# Altium PCB norbi_lm_#1.PcbDoc (part 2 of 5) (continued)
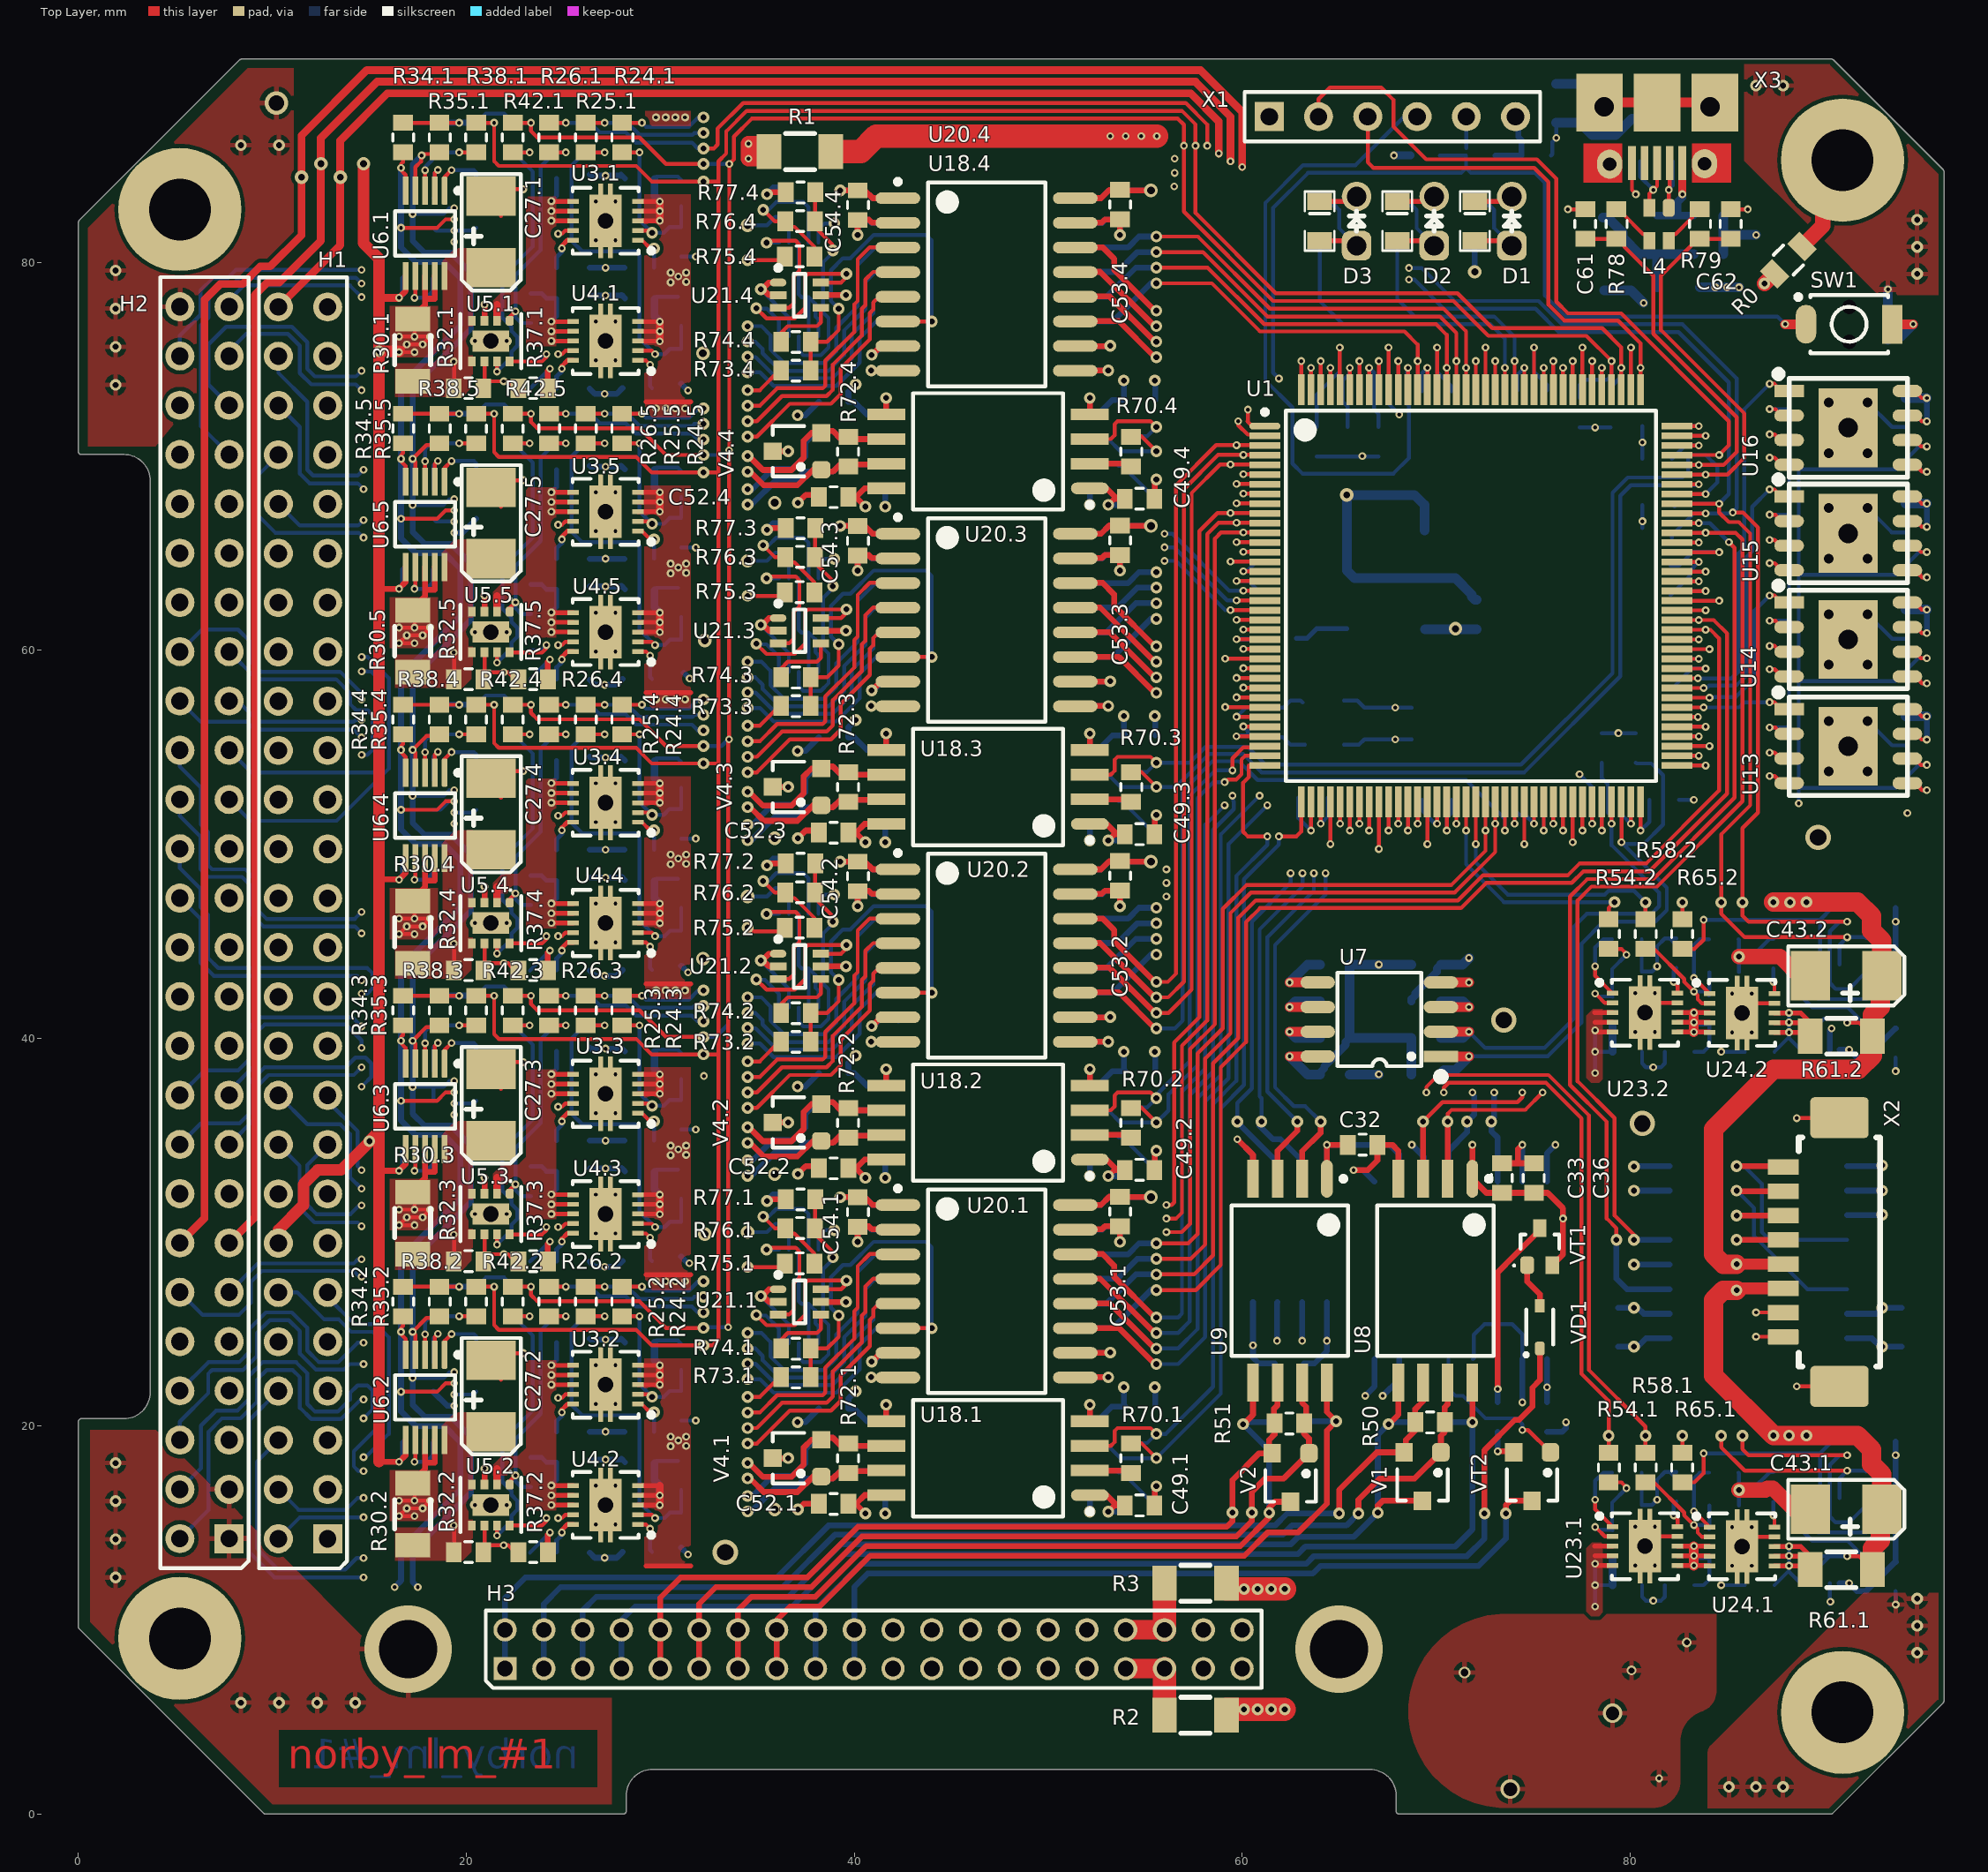
[diagram p0: Top Layer view]
## Nets (pads, with @x,y where several pads share a name; then routed paths per layer and width w, separated by ;. In a path a pad name is that pad's centre, name@x,y a point inside that pad or via, vN(x,y) a via of type N, cw(c..) or ccw(c..) an arc to the next point about the centre after c; other vN are vias at no path point) (continued)
  Bottom Layer w0.4: C30.2@64.026,38.13 64.026,38.232 64.232,38.438 64.232,38.542 65.344,39.654 65.344,39.81 R46.1@65.55,40.017
  Bottom Layer w0.5: v1(62.45,39.06) 63.38,38.13 C30.2@64.026,38.13 ; R43.2@68.726,38.13 R44.2@68.726,40.017 R46.1@65.55,40.017 R48.1@65.55,41.904 R49.1@65.55,43.791 v1(67.05,43.791) R45.2@68.726,43.791 ; GK1.1@69.4,66.18 69.4,67.485 68.885,68 v5(65.4,68) GK1.4@65.4,66.18 65.4,64.105 65.8,63.705 70.995,63.705 71.842,62.858 71.842,62.756 71.998,62.6 C4.2@72.1,62.6 ; C45.2@94.2,56.6 95.289,56.6 v1(95.304,56.585) ; C46.2@94.2,62.1 95.289,62.1 v1(95.304,62.085) ; C48.2@94.2,73 95.299,73 v1(95.304,72.995) ; C47.2@94.205,67.555 v1(95.304,67.555)
3V3A: C8.2 L1.2 U1.32 U1.33 | length 6.9
  Top Layer w0.2: v1(59.711,55.561) U1.33@61.186,55.561 ; v1(60.066,56.066) U1.32@61.191,56.066
  Bottom Layer w0.2: v1(59.711,55.561) 59.75,55.6 60.3,55.6 ; v1(60.066,56.066) 60.3,55.832 60.3,55.6 ; L1.2@63.245,55.12 62.5,55.12 62.102,55.518 C8.2@61.4,55.518 60.682,55.518 60.6,55.6 60.3,55.6
5V_MCU_PLDCR: C43.1.1 R61.1.1 U12.1.8 U12.1.9 X2.3 | length 30.3
  Top Layer w0.2: v1(91.2,13.3) 91.8,13.3 R61.1.1@92.5,12.6
  Top Layer w0.6: v2(85.5,27) 85.6,27.1 X2.3@87.9,27.1
  Top Layer w1: v2(85.5,27) 84.8,27 84.3,26.5 84.3,22.611 v2(87.4,19.511) v2(88.2,19.511) v2(89.1,19.511) 91.737,19.511 92.46,18.788 92.46,18.04 92.983,17.517 C43.1.1@92.983,15.712 92.9,15.629 92.9,14.1 92.5,13.7 R61.1.1@92.5,12.6
  Bottom Layer w0.2: U12.1.9@89.3,11.9 89.3,12.8 89.8,13.3 90.3,13.3 ; U12.1.8@89.8,11.9 89.8,12.8 90.3,13.3 ; v1(91.2,13.3) 90.3,13.3
5V_MEAS_PLDCR: C43.2.1 R61.2.1 U12.2.8 U12.2.9 X2.4 | length 39.4
  Top Layer w0.2: v1(91.2,40.8) 91.8,40.8 R61.2.1@92.5,40.1
  Top Layer w0.56: v2@85.48,28.33 v2(85.5,28.35) ; v2@85.52,28.35 X2.4@87.9,28.35
  Top Layer w1: v2(85.5,28.35) 84.805,28.35 84.3,28.855 84.3,35.3 87.4,38.4 91.8,38.4 92.5,39.1 R61.2.1@92.5,40.1 92.5,41.2 92.9,41.6 92.9,43.129 C43.2.1@92.983,43.212 92.983,45.017 92.46,45.54 92.46,46.288 91.737,47.011 v2(89.1,47.011) v2(87.4,47.011)
  Bottom Layer w0.2: U12.2.9@89.3,39.4 89.3,40.712 89.388,40.8 89.8,40.8 ; U12.2.8@89.8,39.4 89.8,40.8 ; v1(91.2,40.8) 91,41 90,41 89.8,40.8
  other v2: 88.25,47
5V_PL1.1B: C51.2.2 C52.2.2 C54.2.2 C55.2.2 C57.2.2 H2.5 H2.7 R30.3.1 U6.3.8 U6.3.9 U17.2.8 U18.2.8 U19.2.10 U19.2.16 U20.2.1 U20.2.7 U21.2.5 U22.2.2 | length 92.1
  Top Layer w0.2: v1(16.532,31.161) v1(17.332,31.161) ; v1(17.332,30.361) v1(16.532,30.361) v1(16.932,30.761) 17.732,30.761 v1(18.132,31.161) v1(17.332,31.161) ; R30.3.1@17.478,32.012 17.332,31.865 v1(17.332,31.161)
  Top Layer w0.3: R30.3.1@17.878,32.412 17.478,32.012 17.478,32.391 17.878,32.792 17.878,33.112 ; U6.3.8@17.878,34.282 17.878,33.112 ; U6.3.9@18.378,34.282 18.378,33.112 17.878,33.112 ; U21.2.5@38.678,43.7 v2(39.578,43.7) ; v2(39.278,49.1) 39.902,49.1 39.926,49.124 40.526,49.124 40.95,48.7 42.24,48.7 U20.2.1@42.35,48.59 ; C52.2.2@39.7,33.3 C52.2.2@40.078,33.3 ; v2(40.578,32.8) C52.2.2@40.078,33.3 ; v2@40.9,40.6 41.27,40.97 U20.2.7@42.35,40.97 ; U18.2.8@41.65,33.74 40.54,33.74 40.1,33.3 C52.2.2@40.078,33.3
  Power Layer w0.2: 37.9,47.3 38,47.4
  Power Layer w0.3: 38,32.8 v2(40.578,32.8) ; 38,39.1 v2(40.078,39.1) ; 38,40.62 v2(40.9,40.62) ; 38,43.7 v2(39.578,43.7) ; 38,49.1 v2(39.278,49.1)
  Power Layer w0.5: v1(17.332,30.361) 19.532,28.161 25.832,28.161 26.671,29 29.8,29 30.7,29.9 v3(32.3,29.9) 33.1,29.9 34.7,31.5 34.7,31.922 35.778,33 v3(35.9,33) 36.9,34 38,34 ; v3(34.5,47.3) 37.9,47.3 ; 38,32.8 38,34 ; 38,49.1 38,47.4 38,43.7 38,40.62 38,39.1 38,34
  Power Layer w1: 15.9,28.929 v1(17.332,30.361) ; 15.9,30.1 15.9,30.178 16.083,30.361 v1(16.532,30.361) ; v1(16.532,30.361) v1(16.532,31.161) v1(17.332,31.161) v1(18.132,31.161) v1(17.332,30.361) ; v1(16.532,30.361) v1(17.332,30.361)
  Bottom Layer w0.2: v3(34.5,47.3) 35.5,47.3 35.93,47.73 C57.2.2@36.61,47.73 ; U22.2.2@36.632,46.405 C57.2.2@36.632,47.708
  Bottom Layer w0.3: v2(39.278,49.1) 40.154,49.1 C55.2.2@40.178,49.124 40.503,49.124 40.932,48.695 U19.2.16@42.25,48.695 ; v2(40.078,39.1) 39.7,38.722 C51.2.2@39.7,38.2 40,38.2 40.65,37.55 U17.2.8@41.65,37.55 ; v2@40.878,40.51 v2@40.9,40.532 ; v2(40.9,40.62) v2@40.9,40.532 ; U19.2.10@42.35,40.99 42.28,40.92 42.18,41.02 41.388,41.02 v2@40.9,40.532
  other v1: 17.749,30.761
5V_PL1.1А: C51.1.2 C52.1.2 C54.1.2 C55.1.2 C57.1.2 H1.5 H1.7 R30.2.1 U6.2.8 U6.2.9 U17.1.8 U18.1.8 U19.1.10 U19.1.16 U20.1.1 U20.1.7 U21.1.5 U22.1.2 | length 92.9
  Top Layer w0.2: v1(16.532,16.161) v1(17.332,16.161) ; v1(17.332,15.361) v1(16.532,15.361) v1(16.932,15.761) 17.732,15.761 v1(18.132,16.161) v1(17.332,16.161) ; R30.2.1@17.478,17.012 17.332,16.865 v1(17.332,16.161)
  Top Layer w0.3: R30.2.1@17.878,17.412 17.478,17.012 17.478,17.391 17.878,17.792 17.878,18.112 ; U6.2.8@17.878,19.282 17.878,18.112 ; U6.2.9@18.378,19.282 18.378,18.112 17.878,18.112 ; U21.1.5@38.678,26.4 v2(39.578,26.4) ; v2(39.278,31.8) 39.902,31.8 39.926,31.824 40.526,31.824 40.95,31.4 42.24,31.4 U20.1.1@42.35,31.29 ; C52.1.2@39.7,16 C52.1.2@40.078,16 ; v2(40.578,15.5) C52.1.2@40.078,16 ; v2@40.9,23.3 41.27,23.67 U20.1.7@42.35,23.67 ; U18.1.8@41.65,16.44 40.54,16.44 40.1,16 C52.1.2@40.078,16
  Power Layer w0.2: 37.9,30 38,30.1
  Power Layer w0.3: 38,15.5 v2(40.578,15.5) ; 38,21.8 v2(40.078,21.8) ; 38,23.32 v2(40.9,23.32) ; 38,26.4 v2(39.578,26.4) ; 38,31.8 v2(39.278,31.8)
  Power Layer w0.5: 15.9,15.361 v1(16.532,15.361) v1(17.332,15.361) ; v1@17.732,15.761 v1@17.74,15.769 ; v1(18.132,16.161) 18.132,17.771 26.797,26.436 27.351,26.436 29.166,28.251 30.151,28.251 31,29.1 33.6,29.1 v3(34.5,30) 37.9,30 ; v3(35.9,15.7) 36.9,16.7 38,16.7 ; 38,15.5 38,16.7 ; 38,31.8 38,30.1 38,26.4 38,23.32 38,21.8 38,16.7
  Power Layer w0.6: 15.9,15.7 15.961,15.761 v1(16.932,15.761) v1@17.732,15.761 ; 15.9,16.161 v1(16.532,16.161) v1(17.332,16.161) v1(18.132,16.161) v1@17.74,15.769 ; v1(17.332,15.361) v1@17.732,15.761 ; v1(17.749,15.761) v1@17.732,15.761
  Bottom Layer w0.2: v3(34.5,30) 35.5,30 35.93,30.43 C57.1.2@36.61,30.43 ; U22.1.2@36.632,29.105 C57.1.2@36.632,30.408
  Bottom Layer w0.3: v2(39.278,31.8) 40.154,31.8 C55.1.2@40.178,31.824 40.503,31.824 40.932,31.395 U19.1.16@42.25,31.395 ; v2(40.078,21.8) 39.7,21.422 C51.1.2@39.7,20.9 40,20.9 40.65,20.25 U17.1.8@41.65,20.25 ; v2@40.878,23.21 v2@40.9,23.232 ; v2(40.9,23.32) v2@40.9,23.232 ; U19.1.10@42.35,23.69 42.28,23.62 42.18,23.72 41.388,23.72 v2@40.9,23.232
5V_PL1.2: C51.3.2 C52.3.2 C54.3.2 C55.3.2 C57.3.2 H2.27 H2.29 R30.4.1 U6.4.8 U6.4.9 U17.3.8 U18.3.8 U19.3.10 U19.3.16 U20.3.1 U20.3.7 U21.3.5 U22.3.2 | length 92.5
  Top Layer w0.2: v1(16.532,46.161) v1(17.332,46.161) ; v1(17.332,45.361) v1(16.532,45.361) v1(16.932,45.761) 17.732,45.761 v1(18.132,46.161) v1(17.332,46.161) ; R30.4.1@17.478,47.012 17.332,46.865 v1(17.332,46.161)
  Top Layer w0.3: R30.4.1@17.878,47.412 17.478,47.012 17.478,47.391 17.878,47.792 17.878,48.112 ; U6.4.8@17.878,49.282 17.878,48.112 ; U6.4.9@18.378,49.282 18.378,48.112 17.878,48.112 ; U21.3.5@38.678,61 v2(39.578,61) ; v2(39.278,66.4) 39.902,66.4 39.926,66.424 40.526,66.424 40.95,66 42.24,66 U20.3.1@42.35,65.89 ; C52.3.2@39.7,50.6 C52.3.2@40.078,50.6 ; v2(40.578,50.1) C52.3.2@40.078,50.6 ; v2@40.9,57.9 41.27,58.27 U20.3.7@42.35,58.27 ; U18.3.8@41.65,51.04 40.54,51.04 40.1,50.6 C52.3.2@40.078,50.6
  Power Layer w0.2: 37.9,64.6 38,64.7
  Power Layer w0.3: 38,50.1 v2(40.578,50.1) ; 38,56.4 v2(40.078,56.4) ; 38,57.92 v2(40.9,57.92) ; 38,61 v2(39.578,61) ; 38,66.4 v2(39.278,66.4)
  Power Layer w0.5: v1(17.332,45.361) 19.532,43.161 25.832,43.161 26.695,44.024 32.024,44.024 32.1,44.1 v3(32.2,44.1) 33.468,45.368 33.468,47.968 35.3,49.8 35.4,49.8 v3(35.9,50.3) 36.9,51.3 38,51.3 ; v3(34.5,64.6) 37.9,64.6 ; 38,50.1 38,51.3 ; 38,66.4 38,64.7 38,61 38,57.92 38,56.4 38,51.3
  Power Layer w1: 15.6,45.361 v1(16.532,45.361) v1(17.332,45.361) v1(18.132,46.161) v1(17.332,46.161) v1(16.532,46.161) 15.7,46.161
  Bottom Layer w0.2: v3(34.5,64.6) 35.5,64.6 35.93,65.03 C57.3.2@36.61,65.03 ; U22.3.2@36.632,63.705 C57.3.2@36.632,65.008
  Bottom Layer w0.3: v2(39.278,66.4) 40.154,66.4 C55.3.2@40.178,66.424 40.503,66.424 40.932,65.995 U19.3.16@42.25,65.995 ; v2(40.078,56.4) 39.7,56.022 C51.3.2@39.7,55.5 40,55.5 40.65,54.85 U17.3.8@41.65,54.85 ; v2@40.878,57.81 v2@40.9,57.832 ; v2(40.9,57.92) v2@40.9,57.832 ; U19.3.10@42.35,58.29 42.28,58.22 42.18,58.32 41.388,58.32 v2@40.9,57.832
  other v1: 17.749,45.761
5V_PL2: C51.4.2 C52.4.2 C54.4.2 C55.4.2 C57.4.2 H1.41 H1.42 H1.43 H2.41 H2.42 H2.44 R30.5.1 U6.5.8 U6.5.9 U17.4.8 U18.4.8 U19.4.10 U19.4.16 U20.4.1 U20.4.7 U21.4.5 U22.4.2 | length 94.6
  Top Layer w0.2: v1(16.532,61.161) v1(17.332,61.161) ; v1(17.332,60.361) v1(16.532,60.361) v1(16.932,60.761) 17.732,60.761 v1(18.132,61.161) v1(17.332,61.161) ; R30.5.1@17.478,62.012 17.332,61.865 v1(17.332,61.161)
  Top Layer w0.3: R30.5.1@17.878,62.412 17.478,62.012 17.478,62.391 17.878,62.792 17.878,63.112 ; U6.5.8@17.878,64.282 17.878,63.112 ; U6.5.9@18.378,64.282 18.378,63.112 17.878,63.112 ; U21.4.5@38.678,78.3 v2(39.578,78.3) ; v2(39.278,83.7) 39.902,83.7 39.926,83.724 40.526,83.724 40.95,83.3 42.24,83.3 U20.4.1@42.35,83.19 ; C52.4.2@39.7,67.9 C52.4.2@40.078,67.9 ; v2(40.578,67.4) C52.4.2@40.078,67.9 ; v2@40.9,75.2 41.27,75.57 U20.4.7@42.35,75.57 ; U18.4.8@41.65,68.34 40.54,68.34 40.1,67.9 C52.4.2@40.078,67.9
  Power Layer w0.2: 37.9,81.9 38,82
  Power Layer w0.3: 38,67.4 v2(40.578,67.4) ; 38,73.7 v2(40.078,73.7) ; 38,75.22 v2(40.9,75.22) ; 38,78.3 v2(39.578,78.3) ; 38,83.7 v2(39.278,83.7)
  Power Layer w0.5: v1(17.332,60.361) 19.532,58.161 25.832,58.161 26.756,59.085 30.885,59.085 v3(32.3,60.5) 32.3,64.2 35.067,66.967 35.267,66.967 v3(35.9,67.6) 36.9,68.6 38,68.6 ; v3(34.5,81.9) 37.9,81.9 ; 38,67.4 38,68.6 ; 38,83.7 38,82 38,78.3 38,75.22 38,73.7 38,68.6
  Power Layer w1: 15,61.1 15.061,61.161 v1(16.532,61.161) v1(17.332,61.161) v1(18.132,61.161) v1(17.332,60.361) v1(16.532,60.361) 15.82,60.361 15.8,60.38
  Bottom Layer w0.2: v3(34.5,81.9) 35.5,81.9 35.93,82.33 C57.4.2@36.61,82.33 ; U22.4.2@36.632,81.005 C57.4.2@36.632,82.308
  Bottom Layer w0.3: v2(39.278,83.7) 40.154,83.7 C55.4.2@40.178,83.724 40.503,83.724 40.932,83.295 U19.4.16@42.25,83.295 ; v2(40.078,73.7) 39.7,73.322 C51.4.2@39.7,72.8 40,72.8 40.65,72.15 U17.4.8@41.65,72.15 ; v2@40.878,75.11 v2@40.9,75.132 ; v2(40.9,75.22) v2@40.9,75.132 ; U19.4.10@42.35,75.59 42.28,75.52 42.18,75.62 41.388,75.62 v2@40.9,75.132
  other v1: 17.749,60.761
10MHz: GK1.3 R4.2 | length 2.8
  Bottom Layer w0.25: R4.2@62.8,60.6 63.339,60.6 63.839,61.1 GK1.3@65.4,61.1
A_CPU_ERROR: U1.2 U20.1.11 | length 61.5
  Top Layer w0.2: v1(59.8,71.8) 59.8,71.6 60.295,71.105 61.152,71.105 U1.2@61.191,71.066
  Top Layer w0.3: U20.1.11@51.5,24.94 51.62,25.06 53.64,25.06 v2@55.5,23.2
  Signal Layer 1 w0.2: v1(59.8,71.8) 59.7,71.9 59.7,72.6 60,72.9 60.5,72.9 61.4,72 v1@61.4,52.054 ; v1(61.3,52) v1@61.3,52.054
  Bottom Layer w0.2: v2(55.578,23.2) 56.7,23.2 58.1,24.6 58.1,36.733 59.3,37.933 59.3,50 v1(61.3,52)
A_CPU_ERROR_PL: H1.20 R73.1.1 | length 40.3
  Top Layer w0.2: v2@34.778,21.5 35.131,21.5 R73.1.1@36.19,22.56
  Signal Layer 1 w0.2: v1@14.75,32.25 15.35,32.25 16.025,31.575 16.025,30.075 18,28.1 20,28.1 20.7,27.4 20.7,27.037 21.5,26.237 21.5,23.371 25.271,19.6 26.4,19.6 27,20.2 27.4,20.2 28,19.6 29.1,19.6 30.528,18.172 31.602,18.172 32.1,18.67 32.1,19.8 33.8,21.5 v2(34.5,21.5)
  Bottom Layer w0.2: H1.20@10.31,37.05 11.799,35.561 13.5,35.561 14,35.061 14,32.837 v1(14.6,32.237)
A_INT: U1.141 U20.1.14 | length 63
  Top Layer w0.2: U1.141@64.55,73.425 v1(64.55,74.55)
  Top Layer w0.3: U20.1.14@51.5,28.75 51.62,28.87 52.806,28.87 53.4,28.276 53.4,27.7 v2@55.5,25.6
  Signal Layer 1 w0.2: v1(59.1,52) 60,51.1 61.7,51.1 62.2,51.6 62.2,70.261 64.55,72.611 v1(64.55,74.55)
  Signal Layer 2 w0.2: v1(59.1,52) v1@59.13,52.03
  Bottom Layer w0.2: v2(55.578,25.6) 56.7,25.6 56.9,25.8 56.9,37.23 58.1,38.43 58.1,51 v1(59.1,52)
A_INT_PL: H1.17 U20.1.3 | length 50.3
  Top Layer w0.2: v2@34.778,20.7 35.131,20.7 36.031,21.6 38.379,21.6 38.512,21.733 38.512,23.012 40,24.5 40,25.922 40.178,26.1 40.178,28.248 40.8,28.87 42.23,28.87 U20.1.3@42.35,28.75
  Signal Layer 1 w0.2: v1@14.775,31.375 15.425,31.375 15.65,31.15 15.65,29.85 17.8,27.7 19.834,27.7 20.3,27.234 20.3,26.871 21.1,26.071 21.1,23.205 25.105,19.2 28.9,19.2 30.3,17.8 31.8,17.8 32.5,18.5 32.5,19.4 33.8,20.7 v2(34.5,20.7)
  Bottom Layer w0.2: H1.17@12.85,34.51 11.8,33.46 11.8,31.4 12.27,30.93 14.03,30.93 14.475,31.375 v1(14.6,31.375)
A_PWR_ERROR: U1.142 U20.1.13 | length 63.6
  Top Layer w0.2: U1.142@64.05,73.425 v1(64.05,74.9)
  Top Layer w0.3: U20.1.13@51.5,27.48 51.62,27.6 52.681,27.6 v2@55.481,24.8
  Signal Layer 1 w0.2: v1(59.5,52.5) 60.5,51.5 61.534,51.5 61.8,51.766 61.8,70.416 64.08,72.696 v1@64.08,74.87
  Signal Layer 2 w0.2: v1(64.05,74.9) v1@64.08,74.87
  Bottom Layer w0.2: v2(55.578,24.8) 56.7,24.8 57.3,25.4 57.3,37.064 58.5,38.264 58.5,50.735 59.57,51.805 59.57,52.195 59.538,52.226 59.538,52.462 v1(59.5,52.5)
A_PWR_ERROR_PL: H1.19 U20.1.4 | length 50.1
  Top Layer w0.2: v2(34.5,19.9) 34.978,19.9 36.278,21.2 38.578,21.2 38.9,21.522 38.9,22.822 40.4,24.322 40.4,25.7 40.578,25.878 40.578,27.2 40.978,27.6 42.23,27.6 U20.1.4@42.35,27.48
  Signal Layer 1 w0.2: v1@14.7,33.2 v1(14.6,33.2) 14.4,33.2 14.1,32.9 14.1,31.2 14.475,30.825 15,30.825 15.25,30.575 15.25,29.65 18.239,26.661 19.939,26.661 20.7,25.9 20.7,23.039 24.939,18.8 28.732,18.8 30.132,17.4 31.963,17.4 32.9,18.337 32.9,19 33.8,19.9 v2(34.5,19.9)
  Bottom Layer w0.2: H1.19@12.85,37.05 12.85,36.75 14.4,35.2 14.4,33.4 v1@14.525,33.275
A_RSTFPGA: U1.56 U19.1.3 | length 41.3
  Top Layer w0.2: v2(55.578,29.42) 57.22,29.42 57.7,29.9 57.7,39.2 59,40.5 59,46.661 60.239,47.9 70.794,47.9 72.55,49.656 v1(72.55,50.7) U1.56@72.55,52.175
  Bottom Layer w0.3: U19.1.3@51.5,28.77 51.585,28.855 54.117,28.855 54.682,29.42 v2(55.578,29.42)
A_RSTFPGA_PL: H1.11 U19.1.14 | length 47.6
  Signal Layer 2 w0.2: v1(14.7,18.4) 15.9,17.2 18.5,17.2 20.5,19.2 29,19.2 32.7,22.9 32.7,23.1 34.4,24.8 v2(34.5,24.8)
  Bottom Layer w0.2: H1.11@12.85,26.89 12.85,26.65 14.251,25.249 15.335,25.249 16,24.585 16,19.6 v1@14.8,18.4 ; v2@34.778,24.8 35.218,24.8 35.678,24.34 35.678,23.6 36.378,22.9 38.478,22.9 39.078,23.5 39.078,24.724 40.178,25.824 40.178,27.946 41.087,28.855 U19.1.14@42.25,28.855
A_RSTLEON: U1.57 U19.1.4 | length 42.5
  Top Layer w0.2: v2(55.578,28.62) 57.354,28.62 58.1,29.366 58.1,38.952 59.4,40.252 59.4,46.445 60.455,47.5 70.96,47.5 73.05,49.59 v1(73.05,51.05) U1.57@73.05,52.175
  Bottom Layer w0.3: U19.1.4@51.5,27.5 51.6,27.6 53.578,27.6 54.598,28.62 v2(55.578,28.62)
A_RSTLEON_PL: H1.12 U19.1.13 | length 49.3
  Signal Layer 2 w0.2: v1(14.7,17.685) 15.585,16.8 18.694,16.8 20.694,18.8 29.18,18.8 33.1,22.72 33.1,22.94 34.16,24 v2(34.5,24)
  Bottom Layer w0.2: H1.12@10.31,26.89 11.284,26.89 12.674,25.5 13.426,25.5 14.066,24.861 15.175,24.861 15.6,24.435 15.6,20.1 14.2,18.7 14.2,17.926 14.441,17.685 v1(14.7,17.685) v1@14.8,17.685 ; v2@34.778,24 34.9,24 35.278,23.622 35.278,23.4 36.178,22.5 38.678,22.5 39.478,23.3 39.478,24.575 40.578,25.675 40.578,27.078 41.085,27.585 U19.1.13@42.25,27.585
A_TM4_reserve: H1.21
A_TM5_reserve: H1.22
A_TM6_reserve: H1.23
A_TM7_reserve: H1.24
A_WATCHDOG: U1.1 U20.1.12 | length 58.3
  Top Layer w0.2: v1(60.3,72.4) 60.3,71.825 60.27,71.795 60.515,71.55 U1.1@61.175,71.55
  Top Layer w0.3: U20.1.12@51.5,26.21 51.62,26.33 53.17,26.33 v2@55.5,24
  Signal Layer 1 w0.2: v1@60.25,72.45 61,71.7 v1@61,52.547 ; v1(60.9,52.5) v1@60.9,52.547
  Bottom Layer w0.2: v2(55.578,24) 56.7,24 57.7,25 57.7,36.899 58.9,38.099 58.9,50.5 v1(60.9,52.5)
A_WATCHDOG_PL: H1.18 U20.1.5 | length 49
  Top Layer w0.2: v2(34.5,19.1) 34.978,19.1 36.678,20.8 38.8,20.8 39.3,21.3 39.3,22.622 40.8,24.122 40.8,25.472 40.978,25.65 40.978,26.018 41.29,26.33 42.23,26.33 U20.1.5@42.35,26.21
  Signal Layer 1 w0.2: v1(14.6,30.3) 14.6,29.7 18.039,26.261 19.774,26.261 20.3,25.734 20.3,22.874 24.774,18.4 26.282,18.4 26.87,17.812 27.412,17.812 28,18.4 28.561,18.4 29.961,17 32.128,17 33.3,18.172 33.3,18.6 33.8,19.1 v2(34.5,19.1)
  Bottom Layer w0.2: H1.18@10.31,34.51 11.4,33.42 11.4,31.261 12.161,30.5 14.4,30.5 v1(14.6,30.3)
ATMI_PL_0_PL1.1A: R75.1.2 | length 1.7
  Top Layer w0.2: v2@34.778,28.2 36.078,28.2 R75.1.2@36.258,28.38
  Top Layer w0.3: R75.1.2@36.258,28.38 R75.1.2@36.422,28.38
  other v2: 34.5,28.2
ATMI_PL_0_PL1.1B: R75.2.2 | length 2.1
  Top Layer w0.2: v2(34.5,45.7) 34.6,45.7 34.8,45.5 36.078,45.5 R75.2.2@36.258,45.68
  Top Layer w0.3: R75.2.2@36.258,45.68 R75.2.2@36.422,45.68
ATMI_PL_0_PL1.2: R75.3.2 | length 1.7
  Top Layer w0.2: v2@34.778,62.8 36.078,62.8 R75.3.2@36.258,62.98
  Top Layer w0.3: R75.3.2@36.258,62.98 R75.3.2@36.422,62.98
  other v2: 34.5,62.8
B_CPU_ERROR: U1.58 U20.2.11 | length 38.7
  Top Layer w0.2: v1(73.55,50.7) U1.58@73.55,52.175
  Top Layer w0.3: U20.2.11@51.5,42.24 51.62,42.36 53.64,42.36 v2@55.5,40.5
  Bottom Layer w0.2: v2(55.578,40.5) 56.53,40.5 56.93,40.9 56.93,52.73 58.47,54.27 59.83,54.27 60.8,53.3 71.549,53.3 73.55,51.299 v1(73.55,50.7)
B_CPU_ERROR_PL: H2.20 R73.2.1 | length 41.6
  Top Layer w0.2: v2@34.778,38.8 35.131,38.8 R73.2.1@36.19,39.86
  Signal Layer 1 w0.2: v1@14.7,40.6 14.7,40.5 15.2,40 15.2,38.9 16,38.1 16,36.733 16.433,36.3 17,36.3 19.946,33.354 22.446,33.354 23.339,32.461 27.273,32.461 30.6,35.787 30.6,36.099 31.801,37.3 32.2,37.3 33.7,38.8 v2(34.5,38.8)
  Bottom Layer w0.2: H2.20@5.23,37.06 6.508,38.338 8.238,38.338 8.8,38.9 8.8,40.521 9.354,41.075 14.125,41.075 v1(14.6,40.6) v1@14.7,40.6
B_INT: U1.3 U20.2.14 | length 37.6
  Top Layer w0.2: v2(55.578,42.9) 56.172,42.9 56.6,43.328 56.6,68.5 58.666,70.566 v1(59.716,70.566) U1.3@61.191,70.566
  Top Layer w0.3: U20.2.14@51.5,46.05 51.62,46.17 52.806,46.17 53.4,45.576 53.4,45 v2@55.5,42.9
B_INT_PL: H2.17 U20.2.3 | length 55.4
  Top Layer w0.2: v2@34.778,38 35.131,38 36.031,38.9 38.379,38.9 38.512,39.033 38.512,40.312 40,41.8 40,43.222 40.178,43.4 40.178,45.548 40.8,46.17 42.23,46.17 U20.2.3@42.35,46.05
  Signal Layer 1 w0.2: v1@14.7,38.5 15,38.5 15.6,37.9 15.6,36.53 16.23,35.9 16.8,35.9 19.632,33.068 19.632,32.1 19.932,31.8 22.1,31.8 22.8,31.1 22.8,29.8 23.9,28.7 26.22,28.7 26.62,29.1 28,29.1 28.732,29.832 28.732,33.354 31,35.622 31,35.933 31.967,36.9 32.44,36.9 33.54,38 v2(34.5,38)
  Bottom Layer w0.2: H2.17@7.77,34.52 9.2,35.95 9.2,37.5 9.8,38.1 14.2,38.1 v1(14.6,38.5) v1@14.7,38.5
B_PWR_ERROR: U1.4 U20.2.13 | length 37.3
  Top Layer w0.2: v2(55.578,42.1) 56.19,42.1 57,42.91 57,68.3 58.766,70.066 v1(60.066,70.066) 61.229,70.066 U1.4@61.241,70.077
  Top Layer w0.3: U20.2.13@51.5,44.78 51.62,44.9 52.681,44.9 v2@55.481,42.1
B_PWR_ERROR_PL: H2.19 U20.2.4 | length 58.3
  Top Layer w0.2: v2(34.5,37.2) 34.978,37.2 36.278,38.5 38.578,38.5 38.9,38.822 38.9,40.122 40.4,41.622 40.4,43 40.578,43.178 40.578,44.5 40.978,44.9 42.23,44.9 U20.2.4@42.35,44.78
  Signal Layer 1 w0.2: v1@14.7,39.5 14.1,38.9 14.1,38.3 14.4,38 14.9,38 15.2,37.7 15.2,36.3 16,35.5 16.649,35.5 19.24,32.909 19.24,31.295 20.3,30.234 20.3,28.997 20.997,28.3 26.4,28.3 26.8,28.7 29.186,28.7 32.476,31.99 32.476,36.276 33.4,37.2 v2(34.5,37.2)
  Bottom Layer w0.2: H2.19@7.77,37.06 7.77,37.27 9.2,38.7 9.2,40.3 9.6,40.7 13.786,40.7 14.6,39.886 14.6,39.6 v1@14.7,39.5
  other v1: 14.6,39.5
B_RSTFPGA: U1.89 U19.2.3 | length 49.3
  Top Layer w0.2: U1.89@82.425,62.05 v1(83.9,62.05)
  Signal Layer 1 w0.2: v2(55.578,46.72) 59.902,46.72 61.122,45.5 69.1,45.5 70.1,46.5 76.1,46.5 78.6,49 81.4,49 85.4,53 85.4,61.2 84.55,62.05 v1(83.9,62.05)
  Bottom Layer w0.3: U19.2.3@51.5,46.07 51.585,46.155 54.117,46.155 54.682,46.72 v2(55.578,46.72)
B_RSTFPGA_PL: H2.11 U19.2.14 | length 50.3
  Signal Layer 1 w0.2: v1(32.25,38.05) 32.9,38.7 32.9,41.5 33.5,42.1 v2(34.5,42.1)
  Signal Layer 2 w0.2: v1(14.6,28.6) 14.9,28.3 22.2,28.3 23,29.1 23,31.9 23.99,32.89 24.9,32.89 25.81,33.8 29.032,33.8 30.4,35.168 30.4,36.2 v1(32.25,38.05)
  Bottom Layer w0.2: H2.11@7.77,26.9 9.255,28.385 14.197,28.385 14.412,28.6 v1(14.6,28.6) ; v2@34.778,42.1 35.218,42.1 35.678,41.64 35.678,40.9 36.378,40.2 38.478,40.2 39.078,40.8 39.078,42.024 40.178,43.124 40.178,45.246 41.087,46.155 U19.2.14@42.25,46.155
B_RSTLEON: U1.90 U19.2.4 | length 50.7
  Top Layer w0.2: U1.90@82.425,62.55 v1(84.6,62.55)
  Signal Layer 1 w0.2: v2(55.578,45.92) 60.14,45.92 60.94,45.12 69.32,45.12 70.3,46.1 76.3,46.1 78.8,48.6 81.6,48.6 85.8,52.8 85.8,61.4 84.65,62.55 v1(84.6,62.55)
  Bottom Layer w0.3: U19.2.4@51.5,44.8 51.6,44.9 53.578,44.9 54.598,45.92 v2(55.578,45.92)
B_RSTLEON_PL: H2.12 U19.2.13 | length 54.1
  Signal Layer 2 w0.2: v1(14.6,27.7) 14.81,27.91 22.362,27.91 23.39,28.938 23.39,31.738 24.152,32.5 25.039,32.5 25.239,32.7 31.6,32.7 32.1,33.2 32.1,34.468 33.3,35.668 33.3,37.033 33.9,37.633 33.9,40.9 34.3,41.3 v2(34.5,41.3)
  Bottom Layer w0.2: H2.12@5.23,26.9 6.404,25.726 8.266,25.726 8.9,26.361 8.9,27.438 9.462,28 14.185,28 14.485,27.7 v1(14.6,27.7) ; v2@34.778,41.3 34.9,41.3 35.278,40.922 35.278,40.7 36.178,39.8 38.678,39.8 39.478,40.6 39.478,41.875 40.578,42.975 40.578,44.378 41.085,44.885 U19.2.13@42.25,44.885
B_TM4_reserve: H2.21
B_TM5_reserve: H2.22
B_TM6_reserve: H2.23
B_TM7_reserve: H2.24
B_WATCHDOG: U1.5 U20.2.12 | length 37.4
  Top Layer w0.2: v2(55.578,41.3) 56.2,41.3 57.4,42.5 57.4,68.1 58.866,69.566 59.116,69.566 61.229,69.566 U1.5@61.241,69.577
  Top Layer w0.3: U20.2.12@51.5,43.51 51.62,43.63 53.17,43.63 v2@55.5,41.3
  other v1: 59.4,69.566
B_WATCHDOG_PL: H2.18 U20.2.5 | length 59.2
  Top Layer w0.2: v2(34.5,36.4) 34.978,36.4 36.678,38.1 38.8,38.1 39.3,38.6 39.3,39.922 40.8,41.422 40.8,42.772 40.978,42.95 40.978,43.318 41.29,43.63 42.23,43.63 U20.2.5@42.35,43.51
  Signal Layer 1 w0.2: v1@14.7,37.5 14.8,37.4 14.8,36.05 15.75,35.1 16.449,35.1 18.815,32.733 18.815,31.119 19.876,30.059 19.876,28.821 20.821,27.876 26.4,27.876 26.576,27.7 28.732,27.7 32.9,31.868 32.9,36.1 33.2,36.4 v2(34.5,36.4)
  Bottom Layer w0.2: H2.18@5.23,34.52 6.322,35.612 8.31,35.612 8.8,36.101 8.8,37.7 9.6,38.5 13.785,38.5 14.285,39 14.8,39 15.1,38.7 15.1,38 14.7,37.6 v1@14.7,37.5
  other v1: 14.6,37.5
BAT_LOW: H3.17 H3.18 VD1.1 | length 50.2
  Top Layer w0.3: v2(72.5,15.5) 72.5,18.755 74.065,20.32 74.281,20.32 74.97,21.009 74.97,21.985 75.35,22.365 VD1.1@75.35,24
  Bottom Layer w0.3: H3.17@38,7.5 H3.18@38,9.5 38,10.522 40.378,12.9 63.3,12.9 63.7,13.3 71.595,13.3 72.5,14.205 v2(72.5,15.5)
BAT_LOW_MC: U1.27 U11.14 | length 53
  Top Layer w0.2: v1(59.716,58.566) U1.27@61.191,58.566
  Top Layer w0.3: v2(72.85,35.7) v2@72.85,35.781
  Signal Layer 2 w0.2: v1(59.716,58.566) 59.746,58.536 60.261,58.536 60.536,58.261 60.536,58.164 65.57,53.13 77.595,53.13 77.598,53.133 81.167,53.133 82.3,52 82.3,49.3 81.4,48.4 77.4,48.4 76.7,47.7 76.7,40 75.95,39.25 74.4,37.7 74.2,37.7 73.7,37.2 v1(73,37.2)
  Bottom Layer w0.3: 73,37 73,35.931 72.85,35.781 v2(72.85,35.7) 72.85,35.2 73.18,34.87 U11.14@73.18,32.6
C_TK_nRESET: U1.93 U19.3.3 | length 56.7
  Top Layer w0.2: U1.93@82.425,64.05 v1(83.9,64.05)
  Signal Layer 2 w0.2: v2@55.578,64.01 56.2,64.01 56.6,64.41 56.6,71.831 62.369,77.6 72.35,77.6 73.75,76.2 80.375,76.2 81.457,75.118 85.8,70.775 85.8,65.35 84.5,64.05 v1(83.9,64.05)
  Bottom Layer w0.3: U19.3.3@51.5,63.37 51.585,63.455 54.117,63.455 54.682,64.02 v2(55.578,64.02)
C_TK_nRESET_PL: H2.31 U19.3.14 | length 50.6
  Signal Layer 1 w0.2: v1(14.606,59.645) 15.455,59.645 16.9,58.2 24.8,58.2 25.8,59.2 30,59.2 30.4,59.6 32.166,59.6 32.366,59.4 v2(34.5,59.4)
  Bottom Layer w0.2: H2.31@7.77,52.3 8.87,51.2 13.312,51.2 16,53.888 16,58.566 14.921,59.645 v1(14.606,59.645) ; v2@34.778,59.4 35.218,59.4 35.678,58.94 35.678,58.2 36.378,57.5 38.478,57.5 39.078,58.1 39.078,59.324 40.178,60.424 40.178,62.546 41.087,63.455 U19.3.14@42.25,63.455
C_TK_SPI_SEL: U1.124 U19.3.4 | length 35.5
  Top Layer w0.2: U1.124@73.05,73.425 v1(73.05,74.9)
  Signal Layer 2 w0.2: v2@55.578,63.21 56.2,63.21 57,64.01 57,71.666 62.534,77.2 72.1,77.2 73.05,76.25 v1(73.05,74.9)
  Bottom Layer w0.3: U19.3.4@51.5,62.1 51.6,62.2 53.578,62.2 54.598,63.22 v2(55.578,63.22)
C_TK_SPI_SEL_PL: H2.33 U19.3.13 | length 47
  Signal Layer 1 w0.2: v1(14.606,58.9) 15.6,58.9 16.7,57.8 24.966,57.8 25.966,58.8 30.166,58.8 30.566,59.2 32,59.2 32.6,58.6 v2(34.5,58.6)
  Bottom Layer w0.2: H2.33@7.77,54.84 8.91,53.7 15.2,53.7 15.6,54.1 15.6,58.4 15.1,58.9 v1(14.606,58.9) ; v2@34.778,58.6 34.9,58.6 35.278,58.222 35.278,58 36.178,57.1 38.678,57.1 39.478,57.9 39.478,59.175 40.578,60.275 40.578,61.678 41.085,62.185 U19.3.13@42.25,62.185
C_TM_CPU_OK: U1.60 U20.3.13 | length 37.5
  Top Layer w0.2: v1(74.55,50) U1.60@74.55,52.175
  Top Layer w0.3: U20.3.13@51.5,62.08 51.62,62.2 52.681,62.2 v2@55.481,59.4
  Signal Layer 2 w0.2: v2(55.578,59.4) 56.26,59.4 57.4,58.26 57.4,50.634 61.334,46.7 71.3,46.7 74.55,49.95 v1(74.55,50)
C_TM_CPU_OK_PL: H2.36 U20.3.4 | length 48
  Top Layer w0.2: v2(34.5,54.5) 34.978,54.5 36.278,55.8 38.578,55.8 38.9,56.122 38.9,57.422 40.4,58.922 40.4,60.3 40.578,60.478 40.578,61.8 40.978,62.2 42.23,62.2 U20.3.4@42.35,62.08
  Signal Layer 1 w0.2: v1(14.6,55.5) 16.3,53.8 21.112,53.8 24.722,50.19 27.481,50.19 27.771,49.9 29.684,49.9 30.5,50.716 30.5,51.3 32,52.8 32.3,52.8 34,54.5 v2(34.5,54.5)
  Bottom Layer w0.2: H2.36@5.23,57.38 6.31,56.3 8.7,56.3 9.1,55.9 14.2,55.9 v1(14.6,55.5)
C_TM_ERR: U1.64 U20.3.11 | length 38.5
  Top Layer w0.2: v1(76.55,50.7) U1.64@76.55,52.175
  Top Layer w0.3: U20.3.11@51.5,59.54 51.62,59.66 53.64,59.66 v2@55.5,57.8
  Signal Layer 2 w0.2: v2(55.578,57.8) 56.2,57.8 56.6,57.4 56.6,50.303 61.003,45.9 72.1,45.9 76.55,50.35 v1(76.55,50.7)
C_TM_ERR_PL: H2.38 R73.3.1 | length 38.7
  Top Layer w0.2: v2@34.778,56.1 35.131,56.1 R73.3.1@36.19,57.16
  Signal Layer 1 w0.2: v1(14.6,57.461) 15.861,56.2 20.2,56.2 21.365,55.035 27.501,55.035 28.1,55.634 28.1,57.3 28.8,58 31.8,58 31.9,58.1 32.6,58.1 32.9,57.8 32.9,56.5 33.3,56.1 v2(34.5,56.1)
  Bottom Layer w0.2: H2.38@5.23,59.92 6.371,61.061 8.226,61.061 8.9,60.387 8.9,59.4 9.415,58.885 13.49,58.885 14.6,57.775 v1(14.6,57.461)
C_TM_INT: U1.63 U20.3.12 | length 38.3
  Top Layer w0.2: v1(76.05,51.05) U1.63@76.05,52.175
  Top Layer w0.3: U20.3.12@51.5,60.81 51.62,60.93 53.17,60.93 v2@55.5,58.6
  Signal Layer 2 w0.2: v2(55.578,58.6) 56.2,58.6 57,57.8 57,50.469 61.169,46.3 71.9,46.3 76.05,50.45 v1(76.05,51.05)
C_TM_INT_PL: H2.37 U20.3.5 | length 48.5
  Top Layer w0.2: v2(34.5,53.7) 34.978,53.7 36.678,55.4 38.8,55.4 39.3,55.9 39.3,57.222 40.8,58.722 40.8,60.072 40.978,60.25 40.978,60.618 41.29,60.93 42.23,60.93 U20.3.5@42.35,60.81
  Signal Layer 1 w0.2: v1@14.61,54.6 14.85,54.6 16.05,53.4 20.926,53.4 24.526,49.8 25.2,49.8 25.8,49.2 27.566,49.2 27.866,49.5 29.85,49.5 30.9,50.55 30.9,51.134 32.166,52.4 32.5,52.4 33.8,53.7 v2(34.5,53.7)
  Bottom Layer w0.2: H2.37@7.77,59.92 9.19,58.5 13.285,58.5 14,57.785 14,57.23 14.33,56.9 14.92,56.9 15.175,56.645 15.175,54.881 14.894,54.6 v1(14.606,54.6)